# Altium PCB tester_board.PcbDoc (part 4 of 4) (continued)
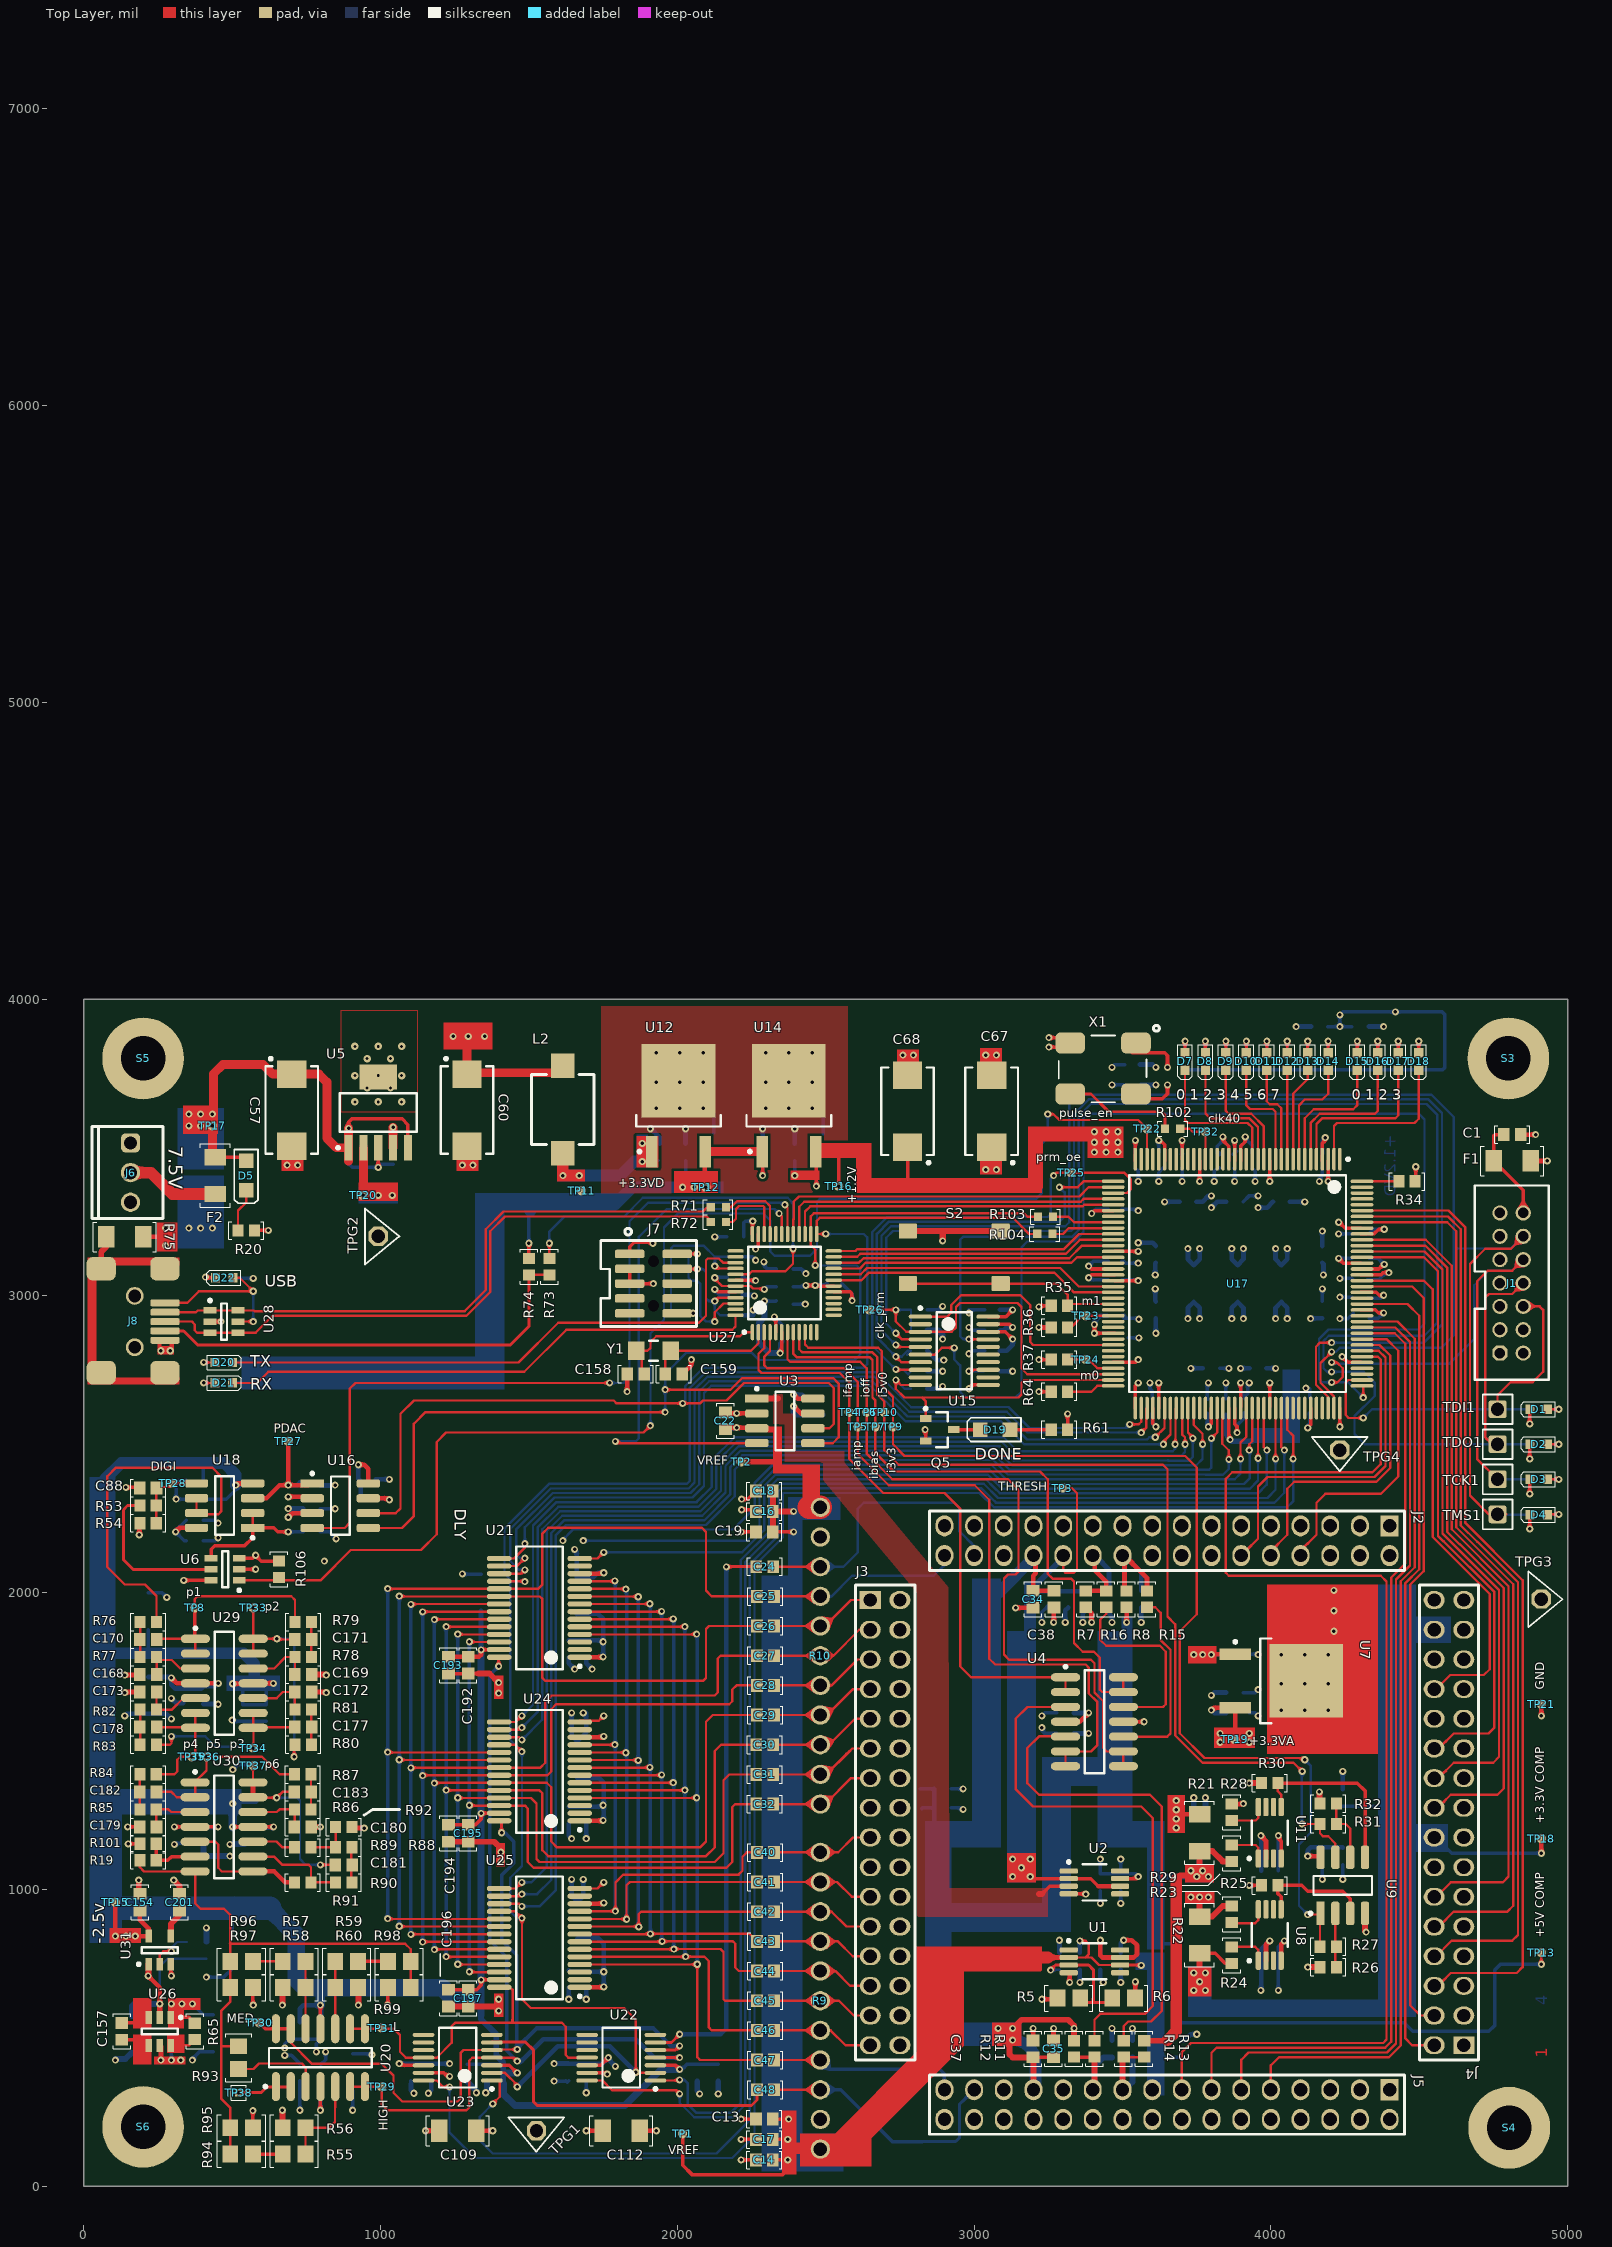
[diagram p0: Top Layer view]
## Nets (pads, with @x,y where several pads share a name; then routed paths per layer and width w, separated by ;. In a path a pad name is that pad's centre, name@x,y a point inside that pad or via, vN(x,y) a via of type N, cw(c..) or ccw(c..) an arc to the next point about the centre after c; other vN are vias at no path point) (continued)
  Top Layer w10: C46.1@2268.35,525 C46.1@2278.19,525
  Bottom Layer w11.81: v1(2025.59,1885.83) v1(2025.59,1334.65) 2025.59,775.59 v1(2027.56,773.62)
SIG16: C47.1 U21.4 U24.4 U25.4 | length 2816
  Top Layer w7.87: U25.4@1671.26,747.05 2065.94,747.05 v1(2066.93,748.03) 2066.93,434.84 2076.77,425 C47.1@2268.35,425 ; U24.4@1671.26,1308.07 2063.98,1308.07 v1(2064.96,1309.06) ; U21.4@1671.26,1859.25 2063.98,1859.25 v1(2064.96,1860.24)
  Bottom Layer w11.81: v1(2064.96,1860.24) 2066.93,1858.27 v1(2066.93,748.03)
SPI0_C\S\: U17.41 U27.27 | length 1123.6
  Top Layer w7.87: U27.27@2430.32,3208.42 2430.32,3284.39 2447.48,3301.56 3365.43,3301.56 3370.96,3307.09 U17.41@3468.5,3307.09
SPI0_MISO: U17.40 U27.28 | length 1160.7
  Top Layer w7.87: U27.28@2410.63,3208.42 2410.63,3300.27 2427.29,3316.93 3359.06,3316.93 3368.91,3326.77 U17.40@3468.5,3326.77
SPI0_MOSI: R104.1 U3.6 U16.6 U27.25 | length 4272.4
  Top Layer w7.87: U16.6@958.66,2267.95 1051.42,2267.95 1067.17,2283.7 1067.17,2602.6 1112.2,2647.64 1785.43,2647.64 1795.28,2637.8 v1(2017.72,2637.8) 2076.77,2637.8 2086.61,2647.64 2165.35,2647.64 2224.41,2706.69 2509.84,2706.69 2527.56,2688.98 2527.56,2568.9 2512.4,2553.74 U3.6@2456.69,2553.74 ; v1(2500,3208.66) 2499.75,3208.42 U27.25@2469.69,3208.42 2469.69,3252.65 2480.32,3263.28 3130.55,3263.28 3185.17,3208.66 R104.1@3212.99,3208.66
  Bottom Layer w7.87: v1(2017.72,2637.8) 2026.93,2647 2026.93,2696.57 2088.7,2758.35 2628.43,2758.35 2639.39,2769.31 2639.39,3197.22 2627.95,3208.66 v1(2500,3208.66)
SPI0_SCLK: R103.1 U3.5 U16.5 U27.26 | length 4452.2
  Top Layer w7.87: U16.5@958.66,2217.95 1072.28,2217.95 1112.2,2257.87 1112.2,2568.9 1151.57,2608.27 v1(1958.66,2608.27) ; v1(1958.66,2683.91) 2179.35,2683.91 2217.89,2722.44 2525.71,2722.44 2543.31,2704.84 2543.31,2523.62 2523.43,2503.74 U3.5@2456.69,2503.74 ; v1(2464.57,3102.36) 2464.57,3155.22 2450,3169.78 U27.26@2450,3208.42 2450,3268.52 2460.13,3278.65 3168.2,3278.65 3180.12,3266.73 R103.1@3214.96,3266.73
  Bottom Layer w7.87: v1(1958.66,2608.27) v1(1958.66,2683.91) 1958.66,2736.22 2031.31,2808.87 2250.18,2808.87 2275.41,2783.65 2596.64,2783.65 2616.33,2803.33 2616.33,3090.37 2604.33,3102.36 v1(2464.57,3102.36)
SWDCLK: J7.4 R69.2 U27.45 | length 378.1
  Top Layer w7.87: J7.4@1999.29,3091.34 2000.08,3090.55 v1(2066.93,3090.55) ; v1(2125.98,2982.28) 2137.55,2993.85 U27.45@2196.06,2993.85
  Bottom Layer w7.87: v1(2066.93,3090.55) 2086.61,3090.55 2096.46,3080.71 2096.46,2992.13 2106.3,2982.28 v1(2125.98,2982.28) 2125.98,2952.76 2143.95,2934.79 R69.2@2168.5,2934.79
SWDIO: J7.2 U27.46 | length 497.5
  Top Layer w7.87: J7.2@1999.29,3141.34 v1(2066.93,3141.34) ; v1(2125.98,2913.39) 2125.98,2944.64 2155.51,2974.16 U27.46@2196.06,2974.16
  Bottom Layer w7.87: v1(2066.93,3141.34) 2048.82,3141.34 2037.4,3129.92 2037.4,3061.02 2047.24,3051.18 2066.93,3051.18 2076.77,3041.34 2076.77,2933.07 2096.46,2913.39 v1(2125.98,2913.39)
TCK: J1.6 R3.1 TCK1.1 U15.6 U17.109 | length 6193.5
  Top Layer w7.87: U15.6@2818.9,2802.17 2868.4,2802.17 2891.04,2824.8 v1(2933.07,2824.8) ; v1(4204.72,2708.66) 4224.4,2708.66 4242.13,2726.38 4242.13,2755.91 4222.44,2775.59 v1(4204.72,2775.59) ; U17.109@4307.09,2696.85 4311.02,2692.91 v1(4311.02,2657.48) ; TCK1.1@4763.78,2381.89 4694.88,2450.79 4694.88,3049.21 4730.69,3085.02 4813.37,3085.02 J1.6@4850.39,3122.05
  Bottom Layer w7.87: v1(2933.07,2824.8) 2933.07,2785.43 2952.76,2765.75 2952.76,2677.17 2972.44,2657.48 3139.76,2657.48 3159.45,2677.17 3159.45,3163.26 3179.13,3182.94 3336.11,3182.94 3368.36,3215.2 3368.36,3523.62 ; 3368.24,3523.62 3368.24,3599.9 3382.51,3614.17 4498.03,3614.17 4517.72,3594.49 4517.72,2906.01 4498.33,2886.62 4193.94,2886.62 4161.8,2854.48 4161.8,2720.09 4173.23,2708.66 v1(4204.72,2708.66) 4259.85,2708.66 v1(4311.02,2657.48) ; v1(4204.72,2775.59) 4208.47,2771.84 4602.27,2771.84 4685.04,2854.61 4685.04,3035.81 4734.25,3085.02 4813.37,3085.02 J1.6@4850.39,3122.05 ; TCK1.1@4763.78,2381.89 R3.1@4874.02,2381.89
TDI: J1.10 R1.1 TDI1.1 U17.110 | length 1320.4
  Top Layer w7.87: U17.110@4307.09,2716.54 4260.69,2716.54 4251.97,2707.82 4251.97,2598.43 4261.81,2588.58 v1(4311.02,2588.58) ; TDI1.1@4763.78,2618.11 4763.78,2665.35 4807.09,2708.66 4881.89,2708.66 4917.32,2744.09 4917.32,2952.76 4905.51,2964.57 J1.10@4850.39,2964.57
  Bottom Layer w7.87: v1(4311.02,2588.58) 4340.55,2618.11 TDI1.1@4763.78,2618.11 R1.1@4874.02,2618.11
TDO1: U15.4 U17.106 | length 4129.2
  Top Layer w7.87: v1(2736.22,2874.02) 2756.89,2853.35 U15.4@2818.9,2853.35 ; U17.106@4192.91,2622.05 4192.91,2659.37 4151.71,2700.57 4151.71,2828.88 4165.35,2842.52 v1(4204.72,2842.52)
  Bottom Layer w7.87: v1(2736.22,2874.02) 2703.74,2906.5 2703.74,3195.87 2726.38,3218.5 3326.77,3218.5 3336.61,3228.35 3336.61,3513.78 ; 3336.49,3513.78 3336.49,3612.17 3386.49,3662.17 4530.75,3662.17 4576.77,3616.14 4576.77,2903.54 4515.75,2842.52 v1(4204.72,2842.52)
TDO2: J1.8 R2.1 TDO1.1 U15.17 | length 5335.2
  Top Layer w7.87: v1(2982.28,2854.33) 2983.27,2853.35 U15.17@3047.24,2853.35 ; TDO1.1@4763.78,2500 4745.2,2500 4722.34,2522.85 4722.34,2994 4734.63,3006.28 4813.37,3006.28 J1.8@4850.39,3043.31
  Bottom Layer w7.87: v1(2982.28,2854.33) 2962.6,2854.33 2952.76,2864.17 2952.76,3188.98 2962.6,3198.82 3329.54,3198.82 3352.49,3221.77 3352.49,3606.43 3392.85,3646.79 4523.85,3646.79 4561.02,3609.62 4561.02,3513.78 ; 4560.9,3513.78 4560.9,2910.12 4516.74,2865.96 4195.02,2865.96 4177.18,2848.12 4177.18,2755.91 4188.99,2744.09 v1(4204.72,2744.09) 4313,2744.09 4350.39,2706.69 4350.39,2663.71 4281.5,2594.81 4281.5,2534.45 4315.94,2500 TDO1.1@4763.78,2500 R2.1@4874.02,2500
TMS: J1.4 R4.1 TMS1.1 U15.5 U17.107 | length 5765.5
  Top Layer w7.87: v1(2736.22,2834.65) 2743.11,2827.76 U15.5@2818.9,2827.76 ; v1(4204.72,2811.02) 4167.09,2773.39 4167.09,2706.94 4212.6,2661.43 U17.107@4212.6,2622.05 ; TMS1.1@4793.31,2263.78 TMS1.1@4763.78,2263.78 4734.25,2263.78 4670.61,2327.42 4670.61,3107.62 4722.07,3159.07 4808.68,3159.07 J1.4@4850.39,3200.79
  Bottom Layer w7.87: v1(2736.22,2834.65) 2687.99,2882.87 2687.99,3202.39 2719.98,3234.38 3307.09,3234.38 3320.74,3248.03 3320.74,3645.54 3352.74,3677.54 4540.96,3677.54 4616.14,3602.36 4616.14,3159.45 ; v1(4204.72,2811.02) 4218.5,2811.02 4232.28,2824.8 4574.06,2824.8 4616.14,2866.89 4616.14,3159.45 ; TMS1.1@4763.78,2263.78 4765.17,2262.39 R4.1@4874.02,2262.39 ; J1.4@4850.39,3200.79 4809.06,3159.45 4616.14,3159.45
TX_LED: D20.C U27.39 | length 1955.4
  Top Layer w7.87: D20.C@501.19,2775.59 1464.57,2775.59 1598.43,2909.45 2072.83,2909.45 2096.46,2933.07 2096.46,3120.08 2102.36,3125.98 2139.76,3125.98 2153.79,3111.96 U27.39@2196.06,3111.96
USB_D+: J8.3 R72.1 U28.3 U28.4 | length 2161.2
  Top Layer w7.87: J8.3@273.57,2913.38 364.18,2913.38 374.02,2903.54 374.02,2883.86 381.89,2875.98 U28.3@425.2,2875.98 U28.4@519.68,2875.98 578.87,2875.98 635.95,2933.07 1289.46,2933.07 1369.7,3013.32 1369.7,3218.04 1419.38,3267.72 2099.07,3267.72 R72.1@2117.82,3248.97
USB_D+': R72.2 U27.34 | length 269.6
  Top Layer w7.87: R72.2@2157.19,3248.97 R72.2@2163.5,3248.97 2186.91,3248.97 2197.54,3259.6 2197.54,3292.81 2207.51,3302.78 2289.39,3302.78 2292.52,3299.65 U27.34@2292.52,3208.42
USB_D-: J8.2 R71.1 U28.1 U28.6 | length 2112.8
  Top Layer w7.87: J8.2@273.57,2944.87 377.94,2944.87 383.86,2950.79 U28.1@425.2,2950.79 U28.6@519.68,2950.79 572.83,2950.79 575.18,2948.44 1283.09,2948.44 1354.33,3019.69 1354.33,3224.41 1414.36,3284.44 2086.61,3284.44 2101.14,3298.97 R71.1@2112.3,3298.97 R71.1@2117.82,3298.97
USB_D-': R71.2 U27.33 | length 263.9
  Top Layer w7.87: R71.2@2157.19,3298.97 R71.2@2163.5,3298.97 2181.25,3298.97 2200.94,3318.65 2295.96,3318.65 2312.2,3302.41 U27.33@2312.2,3208.42
USB_HOST_EN_PA28: R73.2 U27.41 | length 1378.9
  Top Layer w7.87: R73.2@1568.9,3125.98 v1(1568.9,3177.17) ; U27.41@2196.06,3072.59 2241.88,3072.59 2251.97,3082.68 2364.17,3082.68 2389.76,3108.27 v1(2389.76,3158.89)
  Bottom Layer w7.87: v1(1568.9,3177.17) 1568.9,3216.54 1620.08,3267.72 1820.87,3267.72 1883.67,3330.52 2371.91,3330.52 2385.64,3316.79 2385.64,3312.88 2389.76,3308.76 v1(2389.76,3158.89)
V_IAMP: TP5.1 U4.6 U4.7 U27.4 | length 2529.5
  Top Layer w7.87: U27.4@2312.2,2877.71 2312.2,2814.17 2293.31,2795.28 2293.31,2765.86 2303.15,2756.02 2561.02,2756.02 2608.27,2708.78 TP5.1@2608.27,2559.06 2608.27,2466.54 2712.6,2362.2 3001.97,2362.2 3051.18,2312.99 3051.18,1777.56 3070.87,1757.87 3375.98,1757.87 3385.83,1748.03 3385.83,1660.8 3415.35,1631.27 3415.35,1486.22 3394.09,1464.96 U4.6@3308.07,1464.96 U4.7@3308.07,1414.96
V_IBIAS: TP7.1 U4.13 U4.14 U27.8 | length 2256.3
  Top Layer w7.87: U27.8@2390.95,2877.71 2390.95,2804.31 2401.57,2793.69 2647.64,2793.69 2657.48,2783.84 2657.48,2657.48 2667.32,2647.64 TP7.1@2667.32,2559.06 2667.32,2470.55 2729.55,2408.33 3221.59,2408.33 3248.03,2381.89 3248.03,2063.2 3263.99,2047.24 3326.77,2047.24 3336.61,2037.4 3336.61,1830.71 3366.14,1801.18 3403.67,1801.18 3423.35,1781.5 3423.35,1673.23 3431.62,1664.96 U4.13@3502.95,1664.96 U4.14@3502.95,1714.96
V_IFAMP: TP4.1 U4.1 U4.2 U27.3 | length 2111
  Top Layer w7.87: U27.3@2292.52,2877.71 2292.52,2824.02 2273.62,2805.12 2273.62,2750.12 2283.46,2740.27 2547.24,2740.27 2578.74,2708.78 TP4.1@2578.74,2608.27 2578.74,2450.96 2693.76,2335.94 2900.28,2335.94 2952.76,2283.46 2952.76,1751.97 2989.76,1714.96 U4.1@3308.07,1714.96 U4.2@3308.07,1664.96
V_IOFF: TP6.1 U4.8 U4.9 U27.7 | length 2548.6
  Top Layer w7.87: U27.7@2371.26,2877.71 2371.26,2786.22 2379.67,2777.81 2615.89,2777.81 2637.8,2755.91 TP6.1@2637.8,2608.27 2637.8,2468.5 2724.24,2382.06 3114.23,2382.06 3149.61,2346.69 3149.61,2070.96 3139.76,2061.12 3114.27,2061.12 3100.39,2047.24 3100.39,1791.34 3117.98,1773.75 3393.57,1773.75 3405.51,1761.81 3405.51,1663.39 3435.04,1633.86 3435.04,1476.38 3446.46,1464.96 U4.9@3502.95,1464.96 U4.8@3502.95,1414.96
VPULSE: C89.2 TP27.1 U16.1 U18.3 | length 431.1
  Top Layer w15: U18.3@568.9,2318.31 615.55,2318.31 659.45,2362.2 v1(688.98,2362.2) ; TP27.1@688.98,2509.84 v1(688.98,2362.2) ; U16.1@769.68,2367.95 765.59,2372.05 755.75,2362.2 v1(688.98,2362.2)
  Bottom Layer w15: v1(688.98,2362.2) 718.5,2362.2 728.35,2372.05 C89.2@739.17,2361.22
VPULSE': C90.2 U6.4 U18.1 U18.2 | length 444.9
  Top Layer w7.87: U18.1@568.9,2218.31 U18.2@568.9,2268.31
  Top Layer w11.81: U6.4@429.13,2116.14 429.13,2145.67 440.94,2157.48 541.54,2157.48 568.9,2184.84 U18.1@568.9,2218.31 639.76,2218.31 653.35,2204.72 v1(688.98,2204.72)
  Bottom Layer w11.81: v1(688.98,2204.72) C90.2@739.17,2204.72
VREF: C5.1 C13.1 C14.2 C15.2 C16.2 C17.2 C18.2 C19.1 C22.1 C23.2 J5.17 R9.1 R10.1 TP1.1 TP2.1 U1.2 U1.6 U3.3 | length 2001.9
  Top Layer w7.87: U1.2@3318.9,770.67 3375.98,770.67 ; v1(3356.3,826.77) 3375.98,826.77 3385.83,816.93 3385.83,780.51 3375.98,770.67 ; U1.6@3492.13,745.08 3421.26,745.08 3395.67,770.67 3375.98,770.67
  Top Layer w10: U1.6@3492.13,745.08 3562.01,745.08 v1(3562.99,744.09)
  Top Layer w11.81: TP1.1@2017.72,177.17 2017.72,70.87 2049.21,39.37 2354.33,39.37 2366.14,51.18 ; C14.2@2321.85,88.58 v1(2372.05,88.58) ; C17.2@2321.85,157.48 v1(2372.05,157.48) ; C13.1@2321.85,226.38 v1(2374.56,226.38) ; C19.1@2321.85,2194.88 2331.69,2204.72 v1(2391.73,2204.72)
  Top Layer w15: C22.1@2162.2,2556.06 v1(2199.7,2556.06) 2265.39,2556.06 U3.3@2267.72,2553.74
  Top Layer w15.75: U3.3@2267.72,2553.74 U3.3@2303.15,2553.74 ; 3248.03,770.67 U1.2@3318.9,770.67
  Top Layer w19.68: TP2.1@2214.57,2440.94 2328.44,2440.94 ; U3.3@2303.15,2553.74 2307.68,2549.21 2342.52,2549.21 ; C19.1@2321.85,2194.88 C19.1@2321.85,2204.72 C16.2@2321.85,2273.62 ; C18.2@2321.85,2342.52 C16.2@2321.85,2273.62 ; v1(2391.73,2273.62) C16.2@2321.85,2273.62 ; R10.1@2468.01,2273.62 R10.1@2481.89,2287.5
  Top Layer w39.37: 2381.89,127.95 R9.1@2478.94,127.95 ; 2440.94,2283.46 2444.98,2287.5 ; 3198.82,770.67 3248.03,770.67
  Top Layer w78.74: 2444.98,2287.5 R10.1@2481.89,2287.5
  Bottom Layer w11.81: 3613.19,434.06 C15.2@3700.79,434.06
  Bottom Layer w15: C23.2@2162.2,2550.2 2165.75,2553.74 2199.7,2553.74 v1(2199.7,2556.06)
  Bottom Layer w15.75: C5.1@3356.3,786.42 v1(3356.3,826.77)
VTHRESH: C10.2 C11.1 C12.2 J2.24 TP3.1 U2.2 U2.6 | length 1118.7
  Top Layer w7.87: TP3.1@3297.24,2352.36 3328.97,2352.36 3346.46,2334.87 3346.46,2076.77 3336.61,2066.93 3307.09,2066.93 3300,2074.02 J2.24@3300,2125
  Top Layer w12: v1@3177.17,1043.31 3184.06,1036.42 U2.2@3318.9,1036.42 3392.72,1036.42 3418.31,1010.83
  Top Layer w15: 3418.31,1010.83 U2.6@3492.13,1010.83
  Bottom Layer w15: C11.1@3383.28,2004.35 C11.1@3385.83,2006.89
  Bottom Layer w15.75: 3186.24,2004.35 C11.1@3383.28,2004.35
  Bottom Layer w19.68: 3186.24,2004.35 J2.24@3306.89,2125
  other v1: 3129.92,1043.31 3188.98,1043.31 3159.45,1072.83 3129.92,1102.36 3188.98,1102.36
VTHRESH_RAW: U2.3 U3.1 | length 182.5
  Top Layer w12: 3228.35,984.25 3254.92,1010.83 U2.3@3318.9,1010.83
  Top Layer w19.68: U3.1@2267.72,2653.74 2338.78,2653.74 ; 3218.5,984.25 3228.35,984.25
XIN32: C158.1 U27.1 Y1.2 | length 519.6
  Top Layer w7.87: C158.1@1888.78,2736.22 1879.92,2745.08 1879.92,2796.26 Y1.2@1861.22,2814.96 1899.61,2814.96 1909.45,2824.8 1909.45,2844.49 1929.13,2864.17 2210.88,2864.17 2224.41,2877.71 U27.1@2253.15,2877.71
XOUT32: C159.1 U27.2 Y1.1 | length 430.6
  Top Layer w7.87: C159.1@1959.65,2736.22 1959.65,2787.4 1977.36,2805.12 Y1.1@1977.36,2814.96 2248.28,2814.96 2273.62,2840.31 2273.62,2876.92 U27.2@2272.83,2877.71
pads on no net: J1.1 J1.12 J2.2 J2.4 J2.6 J2.14 J4.24 J4.28 J5.1 J5.3 J5.5 J5.7 J5.23 J7.6 J7.7 J7.8 J7.9 J7.MH1 J7.MH2 J8. R9.2 R10.2 S3.HS1 S4.HS1 S5.HS1 S6.HS1 U1.1 U1.5 U1.8 U2.1 U2.5 U2.8 U8.3 U8.6 U8.7 U11.3 U11.6 U11.7 U15.2 U15.9 U15.12 U15.14 U15.15 U15.16 U17.1 U17.17 U17.21 U17.22 U17.23 U17.26 U17.27 U17.29 U17.30 U17.32 U17.33 U17.35 U17.43 U17.51 U17.57 U17.59 U17.61 U17.62 U17.64 U17.66 U17.67 U17.84 U17.85 U17.100 U17.101 U17.102 U17.104 U17.105 U17.111 U17.112 U17.121 U17.124 U17.140 U17.141 U17.142 U17.143 U21.2 U21.3 U21.13 U22.7 U22.8 U22.9 U22.10 U23.7 U23.8 U23.9 U23.10 U24.2 U24.3 U24.13 U25.2 U25.3 U25.13 U27.13 U27.14 U27.15 U27.16 U27.32 U27.37 U27.47
copper on no net: | length 2.5
  Top Layer w11.81: v1@810.04,2107.28 v1(811.02,2106.3)
  Signal Layer 2 w9.84: 4347.65,7158.27 4348.44,7157.49

## Polygon pours and split planes (outlines as drawn)
+1V2D on Bottom Layer "+1V2D_L04_P071" (solid, remove dead copper, pour order 71): 3346.46,3592.52 3346.46,2728.35 4468.5,2728.35 4468.5,3592.52
GND on Bottom Layer "GND_L04_P090" (solid, remove dead copper, pour order 90): 629.92,3956.69 629.92,3602.36 2657.48,3602.36 2657.48,3956.69
+5VA_COMP on Bottom Layer "POWER" (solid, remove dead copper, pour order 81): 2582.68,1427.17 2834.65,1427.17 2834.65,1022.91 2582.68,1022.91
+5VA on Signal Layer 2 "gnd" (solid, remove dead copper, pour order 83): 19.68,2657.48 1732.28,2657.48 1732.28,3356.3 1732.28,3976.38 19.68,3976.38
+5VA on Signal Layer 2 "POWER" (solid, remove dead copper, pour order 75): 1732.28,2677.17 1732.28,2559.06 1850.39,2559.06 1850.39,2692.91 2568.9,2692.91 2568.9,2175.2 3976.38,2175.2 3976.38,1722.44 3188.98,1722.44 3188.98,1328.74 3937.01,1328.74 3937.01,1023.62 3631.89,1023.62 3631.89,19.68 19.68,19.68 19.68,2677.17 1486.22,2677.17
+3V3D on Signal Layer 2 "POWER" (solid, remove dead copper, pour order 73): 4980.31,3976.38 4980.31,2529.53 2736.22,2529.53 2736.22,2854.33 2279.53,2854.33 2279.53,2706.2 1830.71,2706.2 1830.71,2588.58 1751.97,2588.58 1751.97,3336.61 1988.19,3336.61 1988.19,3494.09 3208.66,3494.09 3208.66,3336.61 3208.66,3976.38
+3V3A on Signal Layer 2 "POWER" (solid, remove dead copper, pour order 79): 3996.06,2066.93 3996.06,1704.72 3204.72,1704.72 3204.72,1342.52 3952.76,1342.52 3952.76,1003.94 3651.57,1003.94 3651.57,383.86 3946.85,383.86 4488.19,383.86 4488.19,2066.93
GND on Top Layer "THERM" (solid, remove dead copper, pour order 67): 2574.8,3346.46 2574.8,3976.38 1744.09,3976.38 1744.09,3346.46
no net on Top Layer "THERM" (solid, remove dead copper, pour order 88): 866.14,3620.08 1125.98,3620.08 1125.98,3960.63 866.14,3960.63
VTHRESH_RAW on Top Layer "VTHRESH_RAW" (solid, remove dead copper, pour order 86): 2362.2,2437.01 2492.13,2437.01 2492.13,2377.95 2808.06,1998.93 2807.74,907.35 3248.03,907.35 3248.03,1003.94 2915.38,1003.94 2913.39,2017.72 2563.2,2439.67 2563.2,2476.38 2397.64,2476.38 2397.64,2602.36 2355.33,2602.36 2355.33,2670.29 2322.83,2669.29 2322.83,2566.93 2362.2,2566.93
GND on Signal Layer 1 "GND_L02_P059" (solid, remove dead copper, pour order 59): 19.68,3976.38 19.68,19.68 4980.31,19.68 4980.31,3976.38

## Other copper
Top Layer:
  rectangle net NetR65_1: 279.53,448.82 338.58,511.81
  rectangle net +5VA: 283.46,531.5 338.01,631.79
  rectangle net NetC157_2: 165.35,409.45 228.35,511.81
  rectangle net NetC157_1: 165.35,531.5 228.35,633.86
  rectangle net GND: 1381.89,570.87 1413.39,649.61
  rectangle net GND: 1388.09,1077.07 1419.59,1155.81
  rectangle net -5VA: 87.23,818.9 192.91,870.08
  rectangle net +5VA: 283.46,594.49 393.7,633.86
  rectangle net GND: 1381.89,1641.73 1413.39,1720.47
  rectangle net +3V3D: 1988.19,3346.46 2137.8,3385.83
  rectangle net VTHRESH: 3110.24,1023.62 3208.66,1122.05
  rectangle net +1V2D: 3381.89,3464.57 3503.94,3570.87
  rectangle net +V_IN: 334.65,3545.28 452.76,3641.73
  rectangle net +3V3A: 3809.06,1476.38 3946.85,1545.28
  rectangle net +5VA: 3720.47,1761.81 3816.93,1820.87
  rectangle net +5VA_COMP: 3061.02,472.44 3159.45,551.18
  rectangle net +5VA: 3651.57,1190.95 3709.84,1318.9
  rectangle net +3V3A: 3710.63,952.71 3809.84,994.09
  rectangle net GND: 246.06,3149.61 314.96,3248.03
  rectangle net GND: 3986.22,1456.69 4360.24,2027.56
  rectangle net VREF: 2352.36,39.37 2401.57,255.91
  rectangle net +3V3D_COMP: 3720.47,639.76 3799.21,738.19
  rectangle net VREF: 2322.83,2401.57 2352.36,2559.06
  rectangle net VREF: 2322.83,2401.57 2480.32,2431.1
  rectangle net VREF: 2421.26,2280.56 2480.32,2431.1
  rectangle net +1V2D: 2466.14,3464.57 2649.61,3515.75
  rectangle net +1V2D: 2466.14,3464.57 2572.83,3513.78
  rectangle net +5VA_COMP: 3709.84,1023.62 3809.06,1084.7
  rectangle net +3V3D: 1988.19,3381.89 2137.8,3421.26
  rectangle net +1V2D: 2380.76,3389.79 2479.2,3423.11
  rectangle net GND: 248.03,2803.15 303.15,2830.71
  rectangle net GND: 248.03,2830.71 261.76,2850.38
  rectangle net GND: 289.42,2830.71 303.15,2850.38
  rectangle net NetJ8_6: 11.81,2700.79 322.83,2724.41
  rectangle net NetJ8_6: 11.81,2700.79 43.31,3129.92
  rectangle net NetJ8_6: 11.81,3102.36 322.83,3129.92
  rectangle net GND: 236.22,409.45 342.52,437.01
  region net +5VA: 1059.06,3318.9 1059.06,3381.89 925.2,3381.89 925.2,3318.9
  region net +1V2D: 2653.54,3346.46 2653.54,3515.75 2602.36,3515.75 2602.36,3346.46
  region net +1V2D: 3228.35,3397.64 2602.36,3397.64 2602.36,3346.46 3228.35,3346.46
  region net +1V2D: 3181.1,3570.87 3181.1,3362.38 3232.28,3362.38 3232.28,3570.87
  rectangle net +1V2D: 3181.1,3519.69 3497.86,3570.87
  rectangle net +3V3D: 3019.68,3409.45 3094.49,3480.31
  rectangle net GND: 3019.68,3763.78 3094.49,3834.65
  rectangle net GND: 2740.16,3759.84 2814.96,3830.71
  rectangle net +5VA: 1212.6,3830.71 1377.95,3921.26
  region net GND: 740.16,3492.13 665.35,3492.13 665.35,3421.26 740.16,3421.26
  region net GND: 1330.71,3492.13 1255.91,3492.13 1255.91,3421.26 1330.71,3421.26
  rectangle net NetC70_1: 1594.49,3385.83 1688.98,3425.2
  rectangle net NetC70_1: 1862.2,3433.07 1937.01,3539.37
  region net VREF: 2413.39,66.93 2413.39,177.17 2531.5,177.17 2807.09,452.76 2807.09,807.09 3228.35,807.09 3228.35,728.35 3224.41,724.41 2964.57,724.41 2964.57,472.44 2653.54,161.42 2653.54,66.93
  pour cut-out: 4862.2,403.54 4960.63,403.54 4960.63,659.45 4862.2,659.45
  text "1" at 4931.1,433.07 h39.37 r90
Signal Layer 1:
  pour cut-out: 4862.2,403.54 4960.63,403.54 4960.63,659.45 4862.2,659.45
  text "GND" at 409.45,3885.83 h39.37
  text "2" at 4931.1,492.13 h39.37 r90
Signal Layer 2:
  rectangle net +3V3A: 4498.03,2116.14 4586.61,2411.42
  rectangle net +3V3A: 2637.8,2287.63 4586.61,2411.42
  rectangle net +3V3A: 2588.58,2293.31 2716.54,2840.31
  rectangle net +3V3A: 2293.31,2706.69 2716.54,2840.31
  rectangle net +3V3A: 2322.83,2775.59 2361.42,2840.31
  rectangle net +3V3A: 3799.21,1476.38 4025.59,1545.28
  pour cut-out: 4862.2,403.54 4960.63,403.54 4960.63,659.45 4862.2,659.45
  text "+3V3D" at 3244.09,3909.45 h39.37
  text "+5VA" at 413.39,3885.83 h39.37
  text "3" at 4931.1,551.18 h39.37 r90
  text "3V3a" at 4299.21,425.2 h39.37
Bottom Layer:
  rectangle net +3V3D: 1771.65,3316.93 1811.02,3346.46
  rectangle net +3V3D: 1318.9,3287.4 1791.34,3346.46
  rectangle net +3V3D: 1318.9,2685.04 1417.32,3346.46
  rectangle net +3V3D: 531.5,2685.04 1417.32,2795.28
  rectangle net -5VA: 87.23,818.9 192.91,870.08
  rectangle net +3V3D_COMP: 4437.39,1125.59 4596.46,1220.47
  rectangle net +3V3D: 1979.01,3346.46 2155.51,3385.83
  rectangle net VTHRESH: 3110.24,1023.62 3208.66,1870.08
  rectangle net GND: 334.65,3200.79 452.76,3257.87
  rectangle net +5VA_COMP: 3061.02,472.44 3159.45,551.18
  rectangle net VREF: 2283.46,49.21 2421.26,2057.09
  rectangle net VREF: 2372.05,2057.09 2421.26,2312.99
  rectangle net VREF: 2372.05,2244.09 2549.21,2322.83
  rectangle net VREF: 2401.57,49.21 2559.06,177.17
  rectangle net +5VA_COMP: 2992.13,1141.73 3090.55,2047.24
  rectangle net +5VA_COMP: 2844.49,1141.73 3090.55,1230.32
  rectangle net +5VA_COMP: 2834.65,472.44 2923.23,1230.32
  rectangle net +5VA_COMP: 2844.49,472.44 3159.45,551.18
  rectangle net +5VA_COMP: 2854.33,856.3 3326.77,954.72
  rectangle net +5VA_COMP: 3228.35,856.3 3326.77,1446.85
  rectangle net +5VA_COMP: 3228.35,1348.43 3523.62,1446.85
  rectangle net +5VA_COMP: 3415.35,1141.73 3533.46,1870.08
  rectangle net +5VA_COMP: 3415.35,1141.73 3641.73,1230.32
  rectangle net +5VA_COMP: 3582.68,797.24 3641.73,1230.32
  rectangle net +5VA_COMP: 3497.32,1830.71 3533.46,1916.06
  region net VTHRESH: 3208.66,1869.09 3208.66,2037.4 3168.8,2037.4 3168.8,1869.09
  rectangle net VREF: 3582.68,305.12 3641.73,787.4
  rectangle net VREF: 3543.31,728.35 3641.73,787.4
  rectangle net +3V3D_COMP: 3720.47,570.87 3799.21,740.21
  rectangle net +3V3D_COMP: 3720.47,570.87 4421.51,629.92
  rectangle net +3V3D_COMP: 4360.24,570.87 4488.19,2027.56
  rectangle net +3V3D_COMP: 4360.24,1830.71 4606.3,1919.29
  rectangle net -5VA: 19.68,818.9 127.95,1338.58
  rectangle net -5VA: 19.68,1252.02 531.5,1338.58
  rectangle net +5VA_COMP: 3709.84,1023.62 3809.06,1084.7
  rectangle net GND: 314.96,3159.45 472.44,3405.51
  rectangle net +V_IN: 314.96,3425.2 472.44,3633.86
  rectangle net +1V2D: 4039.37,2503.94 4098.43,2751.97
  rectangle net +1V2D: 3933.07,2503.94 4098.43,2555.12
  rectangle net +3V3D: 531.5,2685.04 629.92,2795.28
  region net +5VA: 1059.06,3311.02 1059.06,3366.14 925.2,3366.14 925.2,3311.02
  region net -5VA: 106.25,1334.65 106.25,2389.76 19.69,2389.76 19.69,1334.65
  rectangle net -5VA: 480.32,1669.29 661.42,1720.47
  rectangle net NetC70_1: 1862.2,3433.07 1901.57,3543.31
  rectangle net NetC70_1: 1594.49,3385.83 1692.91,3425.2
  pour cut-out: 4862.2,403.54 4960.63,403.54 4960.63,659.45 4862.2,659.45
  text "+1.2VD" at 4421.26,3543.31 h39.37 r90
  text "4" at 4931.1,610.24 h39.37 r90

## Silkscreen, mask and mechanical layers (free items; w line width, h text height)
Top Overlay:
  lines w3: 3700.79,994.09 3809.06,994.09 3818.9,994.09 3828.74,984.25 ; 3700.79,1013.78 3740.16,1013.78 3789.37,1013.78 3828.74,1053.15 ; 3828.74,984.25 3828.74,984.25
  lines w5.91: 1200.79,708.66 1200.79,783.46
  lines w10: 944.88,1250 974.41,1269.68 1062.99,1269.68
  text "0 1 2 3 4 5 6 7" at 3681.1,3661.42 h35.43
  text "0 1 2 3" at 4271.65,3661.42 h35.43
  text "7.5V" at 285.43,3503.94 h47.24 r270
  text "USB" at 610.24,3031.5 h39.37
  text "TX" at 561.02,2762.02 h39.37
  text "RX" at 561.02,2683.28 h39.37
  text "DONE" at 3001.97,2447.06 h39.37
  text "DLY" at 1250,2283.46 h39.37 r270
Bottom Overlay:
  lines w3: 1938.98,3341.54 1938.98,3346.46 ; 2440.94,2952.76 2450.79,2962.6 2450.79,2992.13 ; 2440.94,3061.02 2450.79,3051.18 2450.79,3041.34 ; 2450.79,2992.13 2490.16,2952.76 2490.16,2913.39 ; 2450.79,2992.13 2450.79,3041.34 ; 2450.79,2992.13 2450.79,3041.34 ; 2490.16,2913.39 2421.26,2913.39 2421.26,2795.28 2578.74,2795.28 2578.74,2913.39 2564.17,2913.39 2490.16,2913.39
  lines w10: 413.39,875.98 413.39,905.51 ; 816.93,246.06 816.93,314.96 ; 1505.91,1171.26 1505.91,1112.2 1692.91,1112.2 1692.91,1141.73 ; 4173.62,3239.84 4180.75,3268.3
  text "LCT-COMPARATOR TEST BOARD v2.1 / UCLA HIGH ENERGY PHYSICS / AP 2017/06/25" at 739.84,790.75 h40 r270
Top Solder:
  rectangle: 216.54,452.76 295.28,501.97
  rectangle: 211.42,541.34 295.28,592.52
  rectangle: 684.06,994.09 792.32,1053.15
  rectangle: 816.93,994.09 935.04,1230.32
  rectangle: 684.06,1190.94 797.24,1417.32
  rectangle: 685.04,1466.54 797.24,1919.29
  rectangle: 163.39,1458.27 271.65,1929.13
  rectangle: 157.48,1072.83 275.59,1417.32
  rectangle: 3011.81,2706.69 3080.71,2923.23
  rectangle: 2785.43,2706.69 2854.33,2923.23
  rectangle: 1889.76,364.17 1958.66,501.97
  rectangle: 1663.39,364.17 1732.28,501.97
  rectangle: 1338.58,364.17 1407.48,501.97
  rectangle: 1112.2,364.17 1181.1,501.97
  rectangle: 4858.27,401.57 4964.57,665.35
Bottom Solder:
  rectangle: 4858.27,401.57 4964.57,665.35
Mechanical 2:
  lines w6: 0,-1000 0,5000 5000,5000 5000,-1000
Mechanical 16:
  the board outline again, w3.94

## Dimensions
0.94,-107.95 to 5000.94,-78.43 on Mechanical 15
5062.5,0 to 5000,4000 on Mechanical 1
0.94,3994.17 to 5000.94,4019.17 on Mechanical 1